# Altium PCB LimePSB-RPCM_1v2.PcbDoc (part 7 of 10) (continued)
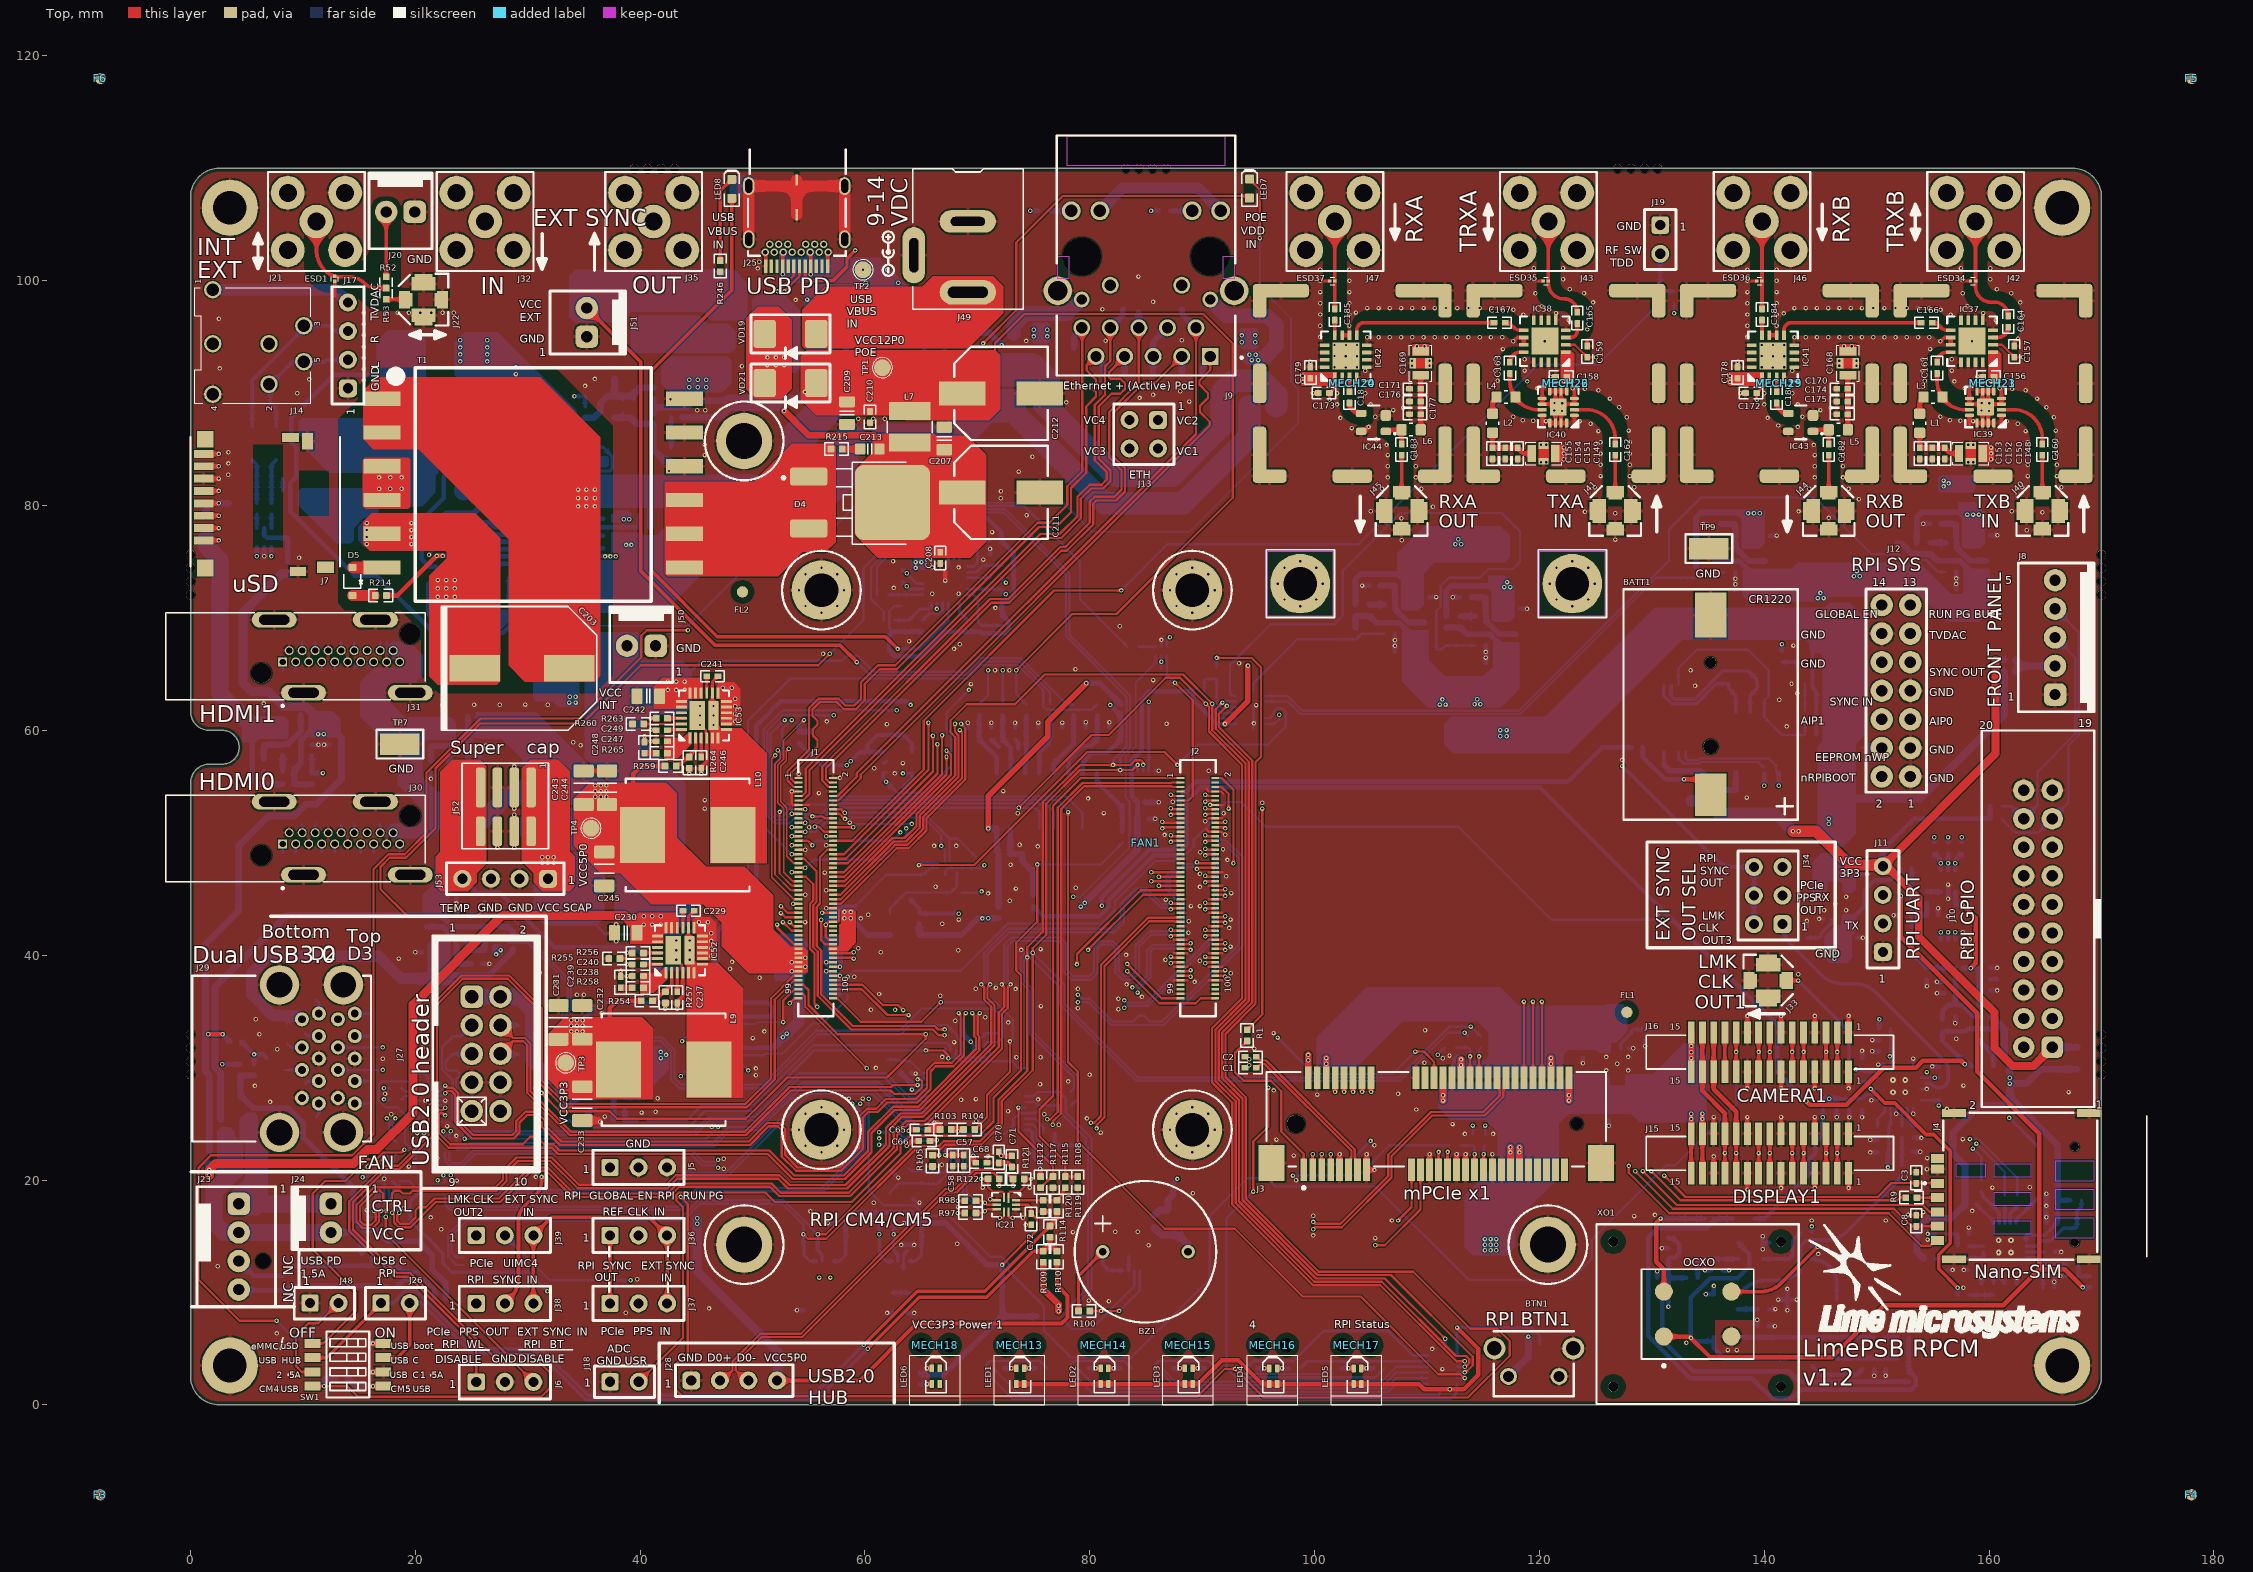
[diagram p0: Top view]
## Nets (pads, with @x,y where several pads share a name; then routed paths per layer and width w, separated by ;. In a path a pad name is that pad's centre, name@x,y a point inside that pad or via, vN(x,y) a via of type N, cw(c..) or ccw(c..) an arc to the next point about the centre after c; other vN are vias at no path point) (continued)
  L3 w0.1: v1(59.575,26.8) 59.325,27.05 59.325,32.55 62.5,35.725 65.492,35.725 67.842,33.375 82.725,33.375 83.9,34.55 83.9,35.483 83.633,35.75 83.296,35.75 v1(83.071,35.975)
  Bottom w0.2: IC26.7@22.625,18.5 22.625,18.1 22.675,18.05 22.675,17.725 23.075,17.325 43.524,17.325 45.199,19 56.299,19 60,22.701 60,25.699 59.375,26.324 59.375,26.583 59.575,26.783 v1(59.575,26.8) ; v1(83.071,35.975) 83.125,35.975 83.3,35.8 85.051,35.8 91.05,41.799 91.05,48.775 90.8,49.025 90.484,49.025 90.334,48.875 v1(90.28,48.875)
RPI_USB3_D0_P: IC26.6 J2.34 | length 99.2
  Top w0.2: v1(90.28,49.475) 90.38,49.375 J2.34@91.165,49.375
  L3 w0.1: v1(58.875,26.8) 59.125,27.05 59.125,32.633 62.417,35.925 65.575,35.925 67.925,33.575 82.642,33.575 83.7,34.633 83.7,35.4 83.55,35.55 83.296,35.55 v1(83.071,35.325)
  Bottom w0.2: IC26.6@23.025,18.5 23.025,18.1 22.975,18.05 22.975,17.849 23.199,17.625 43.4,17.625 45.075,19.3 45.324,19.3 56.175,19.3 59.7,22.825 59.7,25.575 59.075,26.2 59.075,26.583 58.875,26.783 v1(58.875,26.8) ; v1(83.071,35.325) 83.125,35.325 83.3,35.5 85.175,35.5 91.35,41.675 91.35,48.899 90.924,49.325 90.484,49.325 90.334,49.475 v1(90.28,49.475)
RPI_USB3_D1_N: IC27.7 J2.65 | length 88.3
  Top w0.2: v1(80.6,24.592) 80.6,24.875 81.3,25.575 81.3,39.026 85.299,43.025 87.561,43.025 87.611,42.975 J2.65@88.085,42.975
  L3 w0.1: v1(46.925,21.1) 47.175,21.35 50.067,21.35 50.417,21 57.883,21 59.825,22.942 59.825,24.292 61.858,26.325 66.325,26.325 67.575,27.575 76.167,27.575 79.44,24.302 79.956,24.302 80.246,24.592 v1(80.6,24.592)
  Bottom w0.2: IC27.7@22.625,22.425 22.625,22.025 22.675,21.975 22.675,21.65 23.125,21.2 24.175,21.2 25.3,22.325 44.5,22.325 45.525,21.3 46.725,21.3 v1(46.925,21.1)
RPI_USB3_D1_P: IC27.6 J2.63 | length 87.9
  Top w0.2: v1(80.105,25.087) 80.388,25.087 81,25.699 81,39.15 85.175,43.325 87.561,43.325 87.611,43.375 J2.63@88.085,43.375
  L3 w0.1: v1(46.925,21.8) 47.175,21.55 50.15,21.55 50.5,21.2 57.8,21.2 59.625,23.025 59.625,24.375 61.775,26.525 66.242,26.525 67.492,27.775 76.25,27.775 79.523,24.502 79.873,24.502 80.105,24.734 v1(80.105,25.087)
  Bottom w0.2: IC27.6@23.025,22.425 23.025,22.025 22.975,21.975 22.975,21.774 23.249,21.5 24.051,21.5 25.176,22.625 44.624,22.625 45.649,21.6 46.725,21.6 v1(46.925,21.8)
RPI_USB3_RX0_N: IC29.4 J2.28 | length 103.5
  Top w0.2: v1(22.65,26.425) 22.618,26.425 22.43,26.238 22.088,26.238 21.775,25.924 21.775,24.075 22.975,22.875 32.149,22.875 32.699,22.325 51.35,22.325 53.575,20.1 58.225,20.1 60.575,22.45 60.575,24.176 62.628,26.228 64.878,26.228 70.175,31.526 70.175,32.775 70.025,32.925 70.025,34.675 v1(70.2,34.85) ; v1(90.28,50.675) 90.38,50.575 J2.28@91.165,50.575
  L3 w0.1: v1(70.2,34.85) 70.875,35.525 75.108,35.525 75.408,35.825 v1(78.95,35.825)
  Bottom w0.2: IC29.4@21.877,26.675 22.4,26.675 v1(22.65,26.425) ; v1(78.95,35.825) 79.876,35.825 81.901,33.8 86.575,33.8 93.575,40.8 93.575,48.75 92.075,50.25 91.642,50.25 91.367,50.525 90.484,50.525 90.334,50.675 v1(90.28,50.675)
RPI_USB3_RX0_P: IC29.5 J2.30 | length 103.5
  Top w0.2: v1(22.65,25.75) 22.618,25.75 22.43,25.938 22.213,25.938 22.075,25.8 22.075,24.199 23.099,23.175 29.55,23.175 30.225,23.85 30.8,23.85 31.475,23.175 32.274,23.175 32.824,22.625 51.226,22.625 51.474,22.625 53.699,20.4 58.101,20.4 60.275,22.574 60.275,24.3 62.503,26.528 64.753,26.528 69.875,31.65 69.875,32.651 69.725,32.801 69.725,34.675 v1(69.55,34.85) ; v1(90.28,50.075) 90.38,50.175 J2.30@91.165,50.175
  L3 w0.1: v1(69.55,34.85) 69.775,35.075 69.775,35.483 70.017,35.725 75.025,35.725 75.325,36.025 78.5,36.025 v1(78.95,36.475)
  Bottom w0.2: IC29.5@21.877,26.275 22.125,26.275 v1(22.65,25.75) ; v1(78.95,36.475) 79.004,36.475 79.354,36.125 80,36.125 82.025,34.1 83.85,34.1 84.375,34.625 84.819,34.625 85.344,34.1 86.451,34.1 93.275,40.924 93.275,48.626 91.951,49.95 91.518,49.95 91.243,50.225 90.484,50.225 90.334,50.075 v1(90.28,50.075)
RPI_USB3_RX1_N: IC30.4 J2.57 | length 103.5
  Top w0.2: v1(16.95,17.275) 16.95,17.221 16.775,17.046 16.775,16.3 16.2,15.725 15.301,15.725 14.775,16.251 14.775,17.799 16.326,19.35 27.125,19.35 27.8,20.025 27.8,20.8 29,22 32.137,22 34.562,19.575 42.325,19.575 43.175,20.425 52.4,20.425 53.275,19.55 58.275,19.55 61.875,23.15 61.875,24.624 63.176,25.925 65.045,25.925 71.225,32.105 71.225,35.425 70.6,36.05 70.6,37.15 v1(70.35,37.4) ; v1(87.2,44.675) 87.3,44.575 J2.57@88.085,44.575
  Bottom w0.2: IC30.4@16.823,19.148 16.823,18.768 16.773,18.718 16.773,17.452 v1(16.95,17.275) ; v1(70.35,37.4) 70.6,37.65 70.6,40.224 72.726,42.35 82.05,42.35 82.725,43.025 82.725,44.55 84.1,45.925 85.049,45.925 86.449,44.525 86.996,44.525 87.146,44.675 v1(87.2,44.675)
RPI_USB3_RX1_P: IC30.5 J2.59 | length 103.5
  Top w0.2: v1(16.3,17.275) 16.3,17.221 16.475,17.046 16.475,16.424 16.076,16.025 15.425,16.025 15.075,16.375 15.075,17.675 16.45,19.05 16.875,19.05 17.15,18.775 17.15,18.325 17.35,18.125 17.685,18.125 17.925,18.365 17.925,18.8 18.175,19.05 18.625,19.05 18.875,18.8 19.525,18.8 19.775,19.05 27.249,19.05 28.1,19.901 28.1,20.676 29.124,21.7 32.012,21.7 34.437,19.275 42.449,19.275 43.299,20.125 52.276,20.125 53.151,19.25 53.399,19.25 58.399,19.25 62.175,23.026 62.175,24.5 63.3,25.625 65.17,25.625 71.525,31.98 71.525,35.549 70.9,36.174 70.9,37.15 v1(71.15,37.4) ; v1(87.2,44.075) 87.3,44.175 J2.59@88.085,44.175
  Bottom w0.2: v1(16.3,17.275) 16.473,17.448 16.473,18.718 16.423,18.768 IC30.5@16.423,19.148 ; v1(71.15,37.4) 70.9,37.65 70.9,40.1 72.85,42.05 82.174,42.05 83.025,42.901 83.025,44.426 84.224,45.625 84.925,45.625 86.325,44.225 86.996,44.225 87.146,44.075 v1(87.2,44.075)
RPI_USB3_TX0_N: IC29.1 J2.40 | length 103.5
  Top w0.2: v1(22.65,28.4) 22.682,28.4 22.87,28.212 23.349,28.212 23.825,27.737 23.825,25.324 25.149,24 28.626,24 28.975,24.349 28.975,25.001 28.975,25.249 29.801,26.075 30.749,26.075 31.55,25.274 31.55,25.026 31.55,24.874 32.999,23.425 49.651,23.425 51.301,25.075 52.374,25.075 52.9,24.549 52.9,22.224 53.999,21.125 57.751,21.125 59.5,22.874 59.5,25.674 60.176,26.35 61,26.35 61.85,27.2 64.526,27.2 65.525,28.199 65.525,29.774 66.176,30.425 67.726,30.425 68.5,31.199 68.5,34.675 v1(68.325,34.85) ; v1(89.53,48.275) 89.63,48.175 J2.40@91.165,48.175
  L3 w0.1: v1(68.325,34.85) 68.55,35.075 68.55,36.133 68.892,36.475 75.025,36.475 76.2,37.65 82.058,37.65 83.058,36.65 83.624,36.65 83.79,36.816 v1(83.79,37.135)
  Bottom w0.2: IC29.1@21.877,27.875 22.125,27.875 v1(22.65,28.4) ; v1(83.79,37.135) 83.829,37.173 84.076,37.173 85.1,38.197 85.1,40.449 85.551,40.9 87.675,40.9 88.05,41.275 88.05,44.6 86.8,45.85 86.8,47.05 87.225,47.475 87.825,47.475 88.475,48.125 89.326,48.125 89.476,48.275 v1(89.53,48.275)
RPI_USB3_TX0_P: IC29.2 J2.42 | length 103.5
  Top w0.2: v1(22.65,27.725) 22.682,27.725 22.87,27.912 23.225,27.912 23.525,27.613 23.525,25.2 25.025,23.7 28.75,23.7 29.275,24.225 29.275,25.125 29.925,25.775 30.625,25.775 31.25,25.15 31.25,24.75 32.875,23.125 49.775,23.125 51.425,24.775 52.25,24.775 52.6,24.425 52.6,22.1 53.875,20.825 57.875,20.825 59.8,22.75 59.8,25.55 60.3,26.05 61.124,26.05 61.974,26.9 64.65,26.9 65.825,28.075 65.825,29.65 66.3,30.125 67.85,30.125 68.8,31.075 68.8,34.675 v1(68.975,34.85) ; v1(89.53,47.675) 89.63,47.775 J2.42@91.165,47.775
  L3 w0.1: v1(68.975,34.85) 68.75,35.075 68.75,36.05 68.975,36.275 75.108,36.275 76.283,37.45 81.975,37.45 82.975,36.45 83.707,36.45 83.932,36.675 v1(84.25,36.675)
  Bottom w0.2: IC29.2@21.877,27.475 22.4,27.475 v1(22.65,27.725) ; v1(84.25,36.675) 84.288,36.713 84.288,36.961 85.4,38.072 85.4,40.325 85.675,40.6 87.799,40.6 88.35,41.151 88.35,44.724 87.1,45.974 87.1,46.926 87.349,47.175 87.949,47.175 88.599,47.825 89.326,47.825 89.476,47.675 v1(89.53,47.675)
RPI_USB3_TX1_N: IC30.1 J2.69 | length 103.4
  Top w0.2: v1(18.575,17.1) 18.575,17.046 18.4,16.871 18.4,16.35 18.65,16.1 19.451,16.1 20.013,16.663 20.013,17.313 20.275,17.575 20.926,17.575 21.701,18.35 27.425,18.35 30.2,21.125 31.774,21.125 34.099,18.8 42.45,18.8 43.35,19.7 51.675,19.7 52.5,18.875 58.555,18.875 62.55,22.87 62.55,24.124 63.676,25.25 65.325,25.25 71.9,31.825 71.9,34.912 72.252,35.264 72.4,35.412 72.4,37.15 v1(72.15,37.4) ; v1(87.2,42.275) 87.3,42.175 J2.69@88.085,42.175
  Bottom w0.2: IC30.1@18.023,19.148 18.023,18.768 17.968,18.713 17.968,18.232 18.4,17.8 18.4,17.275 v1(18.575,17.1) ; v1(72.15,37.4) 72.4,37.65 72.4,40.924 73.051,41.575 77.374,41.575 77.875,41.074 77.875,38.774 78.524,38.125 79.975,38.125 80.375,38.525 80.375,40.724 80.901,41.25 82.024,41.25 82.575,40.699 82.575,38.6 83.025,38.15 83.676,38.15 84.075,38.549 84.075,40.875 85.325,42.125 86.996,42.125 87.146,42.275 v1(87.2,42.275)
RPI_USB3_TX1_P: IC30.2 J2.71 | length 103.6
  Top w0.2: v1(17.925,17.1) 17.925,17.046 18.1,16.871 18.1,16.226 18.526,15.8 19.575,15.8 21.825,18.05 27.549,18.05 30.324,20.825 31.65,20.825 33.975,18.5 42.574,18.5 43.474,19.4 51.551,19.4 52.376,18.575 58.679,18.575 62.85,22.746 62.85,24 63.8,24.95 65.449,24.95 72.2,31.701 72.2,34.788 72.376,34.964 72.7,35.288 72.7,37.15 v1(72.95,37.4) ; v1(87.2,41.675) 87.3,41.775 J2.71@88.085,41.775
  Bottom w0.2: IC30.2@17.623,19.148 17.623,18.753 17.668,18.708 17.668,18.108 18.1,17.676 18.1,17.275 v1(17.925,17.1) ; v1(72.95,37.4) 72.7,37.65 72.7,40.8 73.175,41.275 77.25,41.275 77.575,40.95 77.575,38.65 78.4,37.825 80.099,37.825 80.675,38.401 80.675,40.6 81.025,40.95 81.9,40.95 82.275,40.575 82.275,38.476 82.901,37.85 83.8,37.85 84.375,38.425 84.375,40.751 85.449,41.825 86.996,41.825 87.146,41.675 v1(87.2,41.675)
RPI_USB_D_N: IC21.2 J2.3 R122.2 | length 52.2
  Top w0.2: v1(70.325,20.106) R122.2@70.95,20.106 70.95,19.375 71.375,18.95 72.2,18.95 72.375,18.775 IC21.2@72.375,18.45 ; v1(76.205,25.412) 76.488,25.412 77.15,26.074 77.15,53.124 79.351,55.325 87.25,55.325 87.3,55.375 J2.3@88.085,55.375
  L3 w0.1: v1(70.325,20.106) 72.056,20.106 72.575,20.625 72.575,21.429 76.205,25.059 v1(76.205,25.412)
RPI_USB_D_P: IC21.1 J2.5 R121.2 | length 51.7
  Top w0.2: IC21.1@72.775,18.4 72.775,18.825 72.9,18.95 73.75,18.95 74.175,19.375 R121.2@74.175,20.1 v1(74.8,20.1) ; v1(76.7,24.917) 76.7,25.2 77.45,25.95 77.45,53 79.475,55.025 87.25,55.025 87.3,54.975 J2.5@88.085,54.975
  L3 w0.1: v1(74.8,20.1) 73.3,20.1 72.775,20.625 72.775,21.346 76.346,24.917 v1(76.7,24.917)
RPI_USB_OTG_ID: J2.1 R108.1 R115.2 | length 47.9
  Top w0.2: R108.1@78.925,20.306 R115.2@77.825,20.306 77.825,21.6 75.525,23.9 75.525,26.275 76.725,27.475 76.725,53.3 79.2,55.775 J2.1@88.085,55.775
RPI_VBAT: J1.76 R78.1 | length 85.2
  Top w0.2: v1(56.1,43.15) 56.1,41.325 56.45,40.975 J1.76@57.165,40.975
  L3 w0.3: v1(56.1,43.15) 56.2,43.25 56.975,43.25 57.575,42.65 60.35,42.65 60.95,43.25 67.639,43.25 68.164,42.725 79.4,42.725 v1(81.075,44.4)
  Bottom w0.4: v1(81.075,44.4) 81.075,45.15 85.325,49.4 87.4,49.4 87.95,49.95 87.95,53.975 89.4,55.425 122.55,55.425 125.625,58.5 R78.1@128.2,58.5
RPI_VBUS_EN: IC1.1 R137.2 | length 1.5
  Bottom w0.2: R137.2@84.35,67.45 84.363,67.437 IC1.1@85.875,67.437
RPI_WL_nDISABLE: J1.89 J6.1 | length 93.8
  Top w0.2: J6.1@25.419,2.038 25.419,5.406 22.025,8.8 19.425,11.4 18.175,11.4 14.114,15.461 14.114,18.114 17.275,21.275 18.476,21.275 21.175,23.974 21.175,26.599 21.625,27.049 21.625,35.724 24.101,38.2 28.35,38.2 31.25,35.3 31.25,28.849 33.324,26.775 49.376,26.775 51.65,29.049 51.65,36.175 53.65,38.175 J1.89@54.085,38.175
RTC_nINT: C54.1 IC16.3 IC18.3 R90.1 | length 20.7
  Bottom w0.2: IC18.3@132.375,64 132.375,65.525 134.025,67.175 138.55,67.175 140.4,65.325 140.4,63.05 140.01,62.66 IC16.3@140.01,61.612 140.01,61.165 141.575,59.6 R90.1@143.625,59.6 C54.1@143.625,60.7
RTC_OSCI: IC16.1 IC18.1 XT1.1 | length 10.5
  Bottom w0.3: IC18.1@131.075,64 131.075,63.1 131.8,62.375 133.975,62.375 135.734,64.134 XT1.1@136.83,64.134 136.83,63.735 137.47,63.094 IC16.1@137.47,61.612
RTC_OSCO: IC16.2 IC18.2 XT1.2 | length 13.2
  Bottom w0.3: IC18.2@131.725,64 131.725,63.025 131.975,62.775 133.809,62.775 136.319,65.284 138.591,65.284 139.33,64.545 XT1.2@139.33,64.134 ; IC16.2@138.74,61.612 138.74,63.094 139.38,63.735 XT1.2@139.38,64.134
RTC_VDD: C51.1 D1.C IC16.8 IC18.8 | length 10
  Bottom w0.3: 131.075,56.925 IC18.8@131.075,58.1
  Bottom w0.5: 131.075,56.925 131.577,56.423 134.323,56.423 D1.C@136.058,54.688 C51.1@137.47,54.688 IC16.8@137.47,56.188
RXA: C185.1 ESD37.1 J47.1 | length 7.8
  Top w0.325: C185.1@101.8,97.5 ESD37.1@101.8,99.975 J47.1@101.8,105.275
RXA_OUT: C183.2 J45.1 | length 3.2
  Top w0.325: J45.1@107.74,81.225 C183.2@107.74,84.475
RXB: C184.1 ESD36.1 J46.1 | length 7.8
  Top w0.325: C184.1@139.8,97.5 ESD36.1@139.8,99.975 J46.1@139.8,105.275
RXB_OUT: C182.2 J44.1 | length 3.2
  Top w0.325: J44.1@145.74,81.225 C182.2@145.74,84.475
SCAP_TEMP: C36.1 IC8.7 J52.4 J53.4 R46.2 R50.1 | length 89.9
  L3 w0.4: v1(64.057,62.268) v1(81.818,62.268)
  Bottom w0.4: J53.4@24.186,46.8 25.436,45.55 27.525,45.55 32.35,40.725 39.475,40.725 41.425,38.775 46.05,38.775 46.9,39.625 46.9,42.175 50.325,45.6 50.325,60.425 52.475,62.575 63.75,62.575 v1(64.057,62.268) ; IC8.7@79.333,56.177 79.352,56.196 79.352,57.169 80.183,58 81.566,58 82.651,59.085 82.651,59.135 82.701,59.185 C36.1@82.751,59.185 R50.1@82.751,60.235 R46.2@82.751,61.335 v1(81.818,62.268)
  Bottom w0.6: J53.4@24.186,46.8 J53.4@24.225,46.839
SIM_VPP: J4.C6 R9.2 | length 1.8
  Top w0.2: R9.2@153.59,18.435 J4.C6@155.405,18.435
SR0_DOUT: IC15.9 IC17.14 | length 73.3
  Top w0.2: v1(91.8,62.475) 91.2,61.875 91.2,60.15 94.15,57.2 94.15,35.924 91.475,33.249 91.475,28.924 93.275,27.124 93.275,18.099 100.124,11.25 106.25,11.25 v1(111.625,5.875)
  Bottom w0.2: v1(91.8,62.475) 91.92,62.595 92.989,62.595 IC17.14@93.014,62.57 ; IC15.9@111.625,4.984 v1(111.625,5.875)
SR_OE: IC15.13 IC17.13 R92.2 R94.1 R96.1 | length 82.4
  Top w0.2: v1(92.2,62.175) 91.5,61.475 91.5,60.274 94.45,57.324 94.45,35.8 91.775,33.125 91.775,29.048 93.575,27.248 93.575,18.223 100.248,11.55 106.8,11.55 114.075,4.275 114.075,3.527 113.532,2.984 113.52,2.984 113.42,2.884 v1(113.366,2.884)
  Bottom w0.2: R92.2@90.175,63.475 R96.1@90.175,64.575 R94.1@91.275,64.575 91.3,64.55 91.3,62.399 91.699,62 92.025,62 v1(92.2,62.175) ; v1@92.18,62.195 v1(92.2,62.175) ; IC17.13@93.014,62.07 92.58,62.07 92.475,62.175 v1(92.2,62.175) ; IC15.13@112.675,2.884 v1(113.366,2.884)
TCXO_DAC_VREF: C139.2 C140.1 IC33.2 R165.1 R166.1 R172.1 | length 8
  Bottom w0.4: R165.1@155.849,34.239 155.849,35.015 156.423,35.589 R172.1@156.998,35.589 ; IC33.2@156.999,38.884 C140.1@156.999,37.63 R172.1@156.999,35.575 157.548,35.575 158.549,34.574 R166.1@159.099,34.574
TRXA: C165.1 ESD35.1 J43.1 | length 9.6
  Top w0.325: J43.1@120.8,105.275 ESD35.1@120.8,99.975 120.8,99.75 ccw(c122.15,99.75) 122.15,98.4 122.175,98.4 cw(c122.175,97.2) C165.1@123.375,97.2
TRXB: C164.1 ESD34.1 J42.1 | length 10.2
  Top w0.325: J42.1@158.8,105.275 ESD34.1@158.8,99.975 158.8,99.475 ccw(c160.175,99.475) 160.175,98.1 160.475,98.1 cw(c160.475,96.875) C164.1@161.7,96.875
TXA_IN: C162.2 J41.1 | length 3.2
  Top w0.325: J41.1@126.74,81.225 C162.2@126.74,84.475
TXB_IN: C160.2 J40.1 | length 3.2
  Top w0.325: J40.1@164.74,81.225 C160.2@164.74,84.475
UFL_INT_TO_EXT: J22.1 R53.2 | length 1.7
  Top w0.325: R53.2@17.4,98.35 J22.1@19.015,98.35 ; J22.1@18.815,98.35 cw(c18.815,98.265) J22.1@18.875,98.325
UIM_CLK: J3.12 J4.C3 | length 60.4
  Top w0.2: v1(127.95,21.25) 127.95,20.65 131.55,17.05 151.075,17.05 153.975,14.15 154.725,14.15 155.195,14.62 J4.C3@155.405,14.62 J4.C3@155.705,14.62
  Top w0.4: v1(103.425,27.85) J3.12@103.425,29.1
  L3 w0.1: v1(103.425,27.85) 103.425,26.816 108.991,21.25 v1(127.95,21.25)
UIM_DATA: C8.2 J3.10 J4.C7 | length 59.3
  Top w0.2: v1(128.525,20.775) 131.85,17.45 151.55,17.45 153.11,15.89 153.525,15.89 J4.C7@155.405,15.89
  Top w0.4: v1(102.625,27.85) J3.10@102.625,29.1
  L3 w0.1: v1(102.625,27.85) 102.625,27.333 108.908,21.05 127.55,21.05 127.825,20.775 v1(128.525,20.775)
UIM_PWR: C3.2 J3.8 J4.C1 | length 59.2
  Top w0.2: v1(131.1,20.4) 133,18.5 150.1,18.5 151.331,19.731 153.525,19.731 J4.C1@155.405,19.731
  Top w0.4: v1(101.825,27.85) J3.8@101.825,29.1
  L3 w0.1: v1(101.825,27.85) 108.85,20.825 127.45,20.825 127.875,20.4 v1(131.1,20.4)
UIM_RESET: J3.14 J4.C2 | length 58.1
  Top w0.2: v1(129.2,20.8) 132.225,17.775 154.1,17.775 154.715,17.16 J4.C2@155.405,17.16 J4.C2@155.705,17.16
  Top w0.4: v1(104.225,27.85) J3.14@104.225,29.1
  L3 w0.1: v1(104.225,27.85) 104.225,26.299 109.024,21.5 127.705,21.5 127.805,21.6 128.4,21.6 v1(129.2,20.8)
UIM_VPP: J3.16 R9.1 | length 54
  Top w0.2: v1(129.95,20.8) 132.55,18.2 151.85,18.2 152.1,18.45 R9.1@152.375,18.45
  Top w0.4: v1(105.025,27.85) J3.16@105.025,29.1
  L3 w0.1: v1(105.025,27.85) 105.025,25.781 109.106,21.7 127.622,21.7 127.722,21.8 128.95,21.8 v1(129.95,20.8)
USB3S_B_D_N: IC26.1 J29.11 VD14.A | length 24.8
  L3 w0.1: v1(17.1,31.8) 18,30.9 21.258,30.9 23.625,28.533 23.625,25.308 25.1,23.833 25.1,20.55 23.95,19.4 23.192,19.4 22.725,19.867 22.725,20.2 v1(22.5,20.425)
  Bottom w0.2: J29.11@13.11,31.8 VD14.A@15.875,31.8 v1(17.1,31.8) ; v1(22.5,20.425) 22.625,20.3 IC26.1@22.625,19.8
USB3S_B_D_P: IC26.2 J29.12 VD15.A | length 24.8
  L3 w0.1: v1(17.1,29.8) 17.1,30.3 17.5,30.7 19.15,30.7 19.55,30.3 19.887,30.3 20.287,30.7 21.175,30.7 23.425,28.45 23.425,25.225 24.9,23.75 24.9,22.349 24.55,21.999 24.55,21.762 24.9,21.412 24.9,20.633 23.867,19.6 23.275,19.6 22.925,19.95 22.925,20.2 v1(23.15,20.425)
  Bottom w0.2: J29.12@13.11,29.8 VD15.A@15.875,29.8 v1(17.1,29.8) ; IC26.2@23.025,19.8 23.025,20.3 v1(23.15,20.425)
USB3S_B_RX_N: ESD26.1 IC29.9 J29.14 | length 25.7
  L4 w0.1: J29.14@14.61,26.8 14.61,27.535 14.775,27.7 15.9,27.7 16.075,27.525 16.075,26.475 16.275,26.275 18.483,26.275 18.825,26.617 18.825,28.35 18.5,28.675 18,28.675 17.825,28.85 17.825,29.15 18,29.325 18,29.575 17.825,29.75 17.825,30.05 18.025,30.25 18.575,30.25 19.275,29.55 19.875,29.55 20.575,30.25 21.075,30.25 21.784,29.541 21.784,28.016 21.467,27.7 20.242,27.7 19.6,27.058 19.6,26.442 20.525,25.517 20.525,25.079 20.021,24.574 19.774,24.574 v1(19.75,24.55)
  Bottom w0.2: J29.14@14.61,26.8 ESD26.1@15.875,26.8 ; v1(19.75,24.55) 20.3,25.1 IC29.9@20.3,25.698
USB3S_B_RX_P: ESD27.1 IC29.8 J29.15 | length 25.7
  L4 w0.1: J29.15@14.61,28.8 14.61,28.765 15.475,27.9 15.983,27.9 16.275,27.608 16.275,26.967 16.767,26.475 18.4,26.475 18.625,26.7 18.625,28.267 18.417,28.475 17.917,28.475 17.625,28.767 17.625,30.133 17.884,30.391 17.942,30.45 18.658,30.45 19.358,29.75 19.792,29.75 20.492,30.45 21.158,30.45 21.984,29.624 21.984,27.934 21.55,27.5 20.325,27.5 19.8,26.975 19.8,26.525 19.809,26.516 20.35,25.975 20.725,25.6 20.725,24.996 20.174,24.446 20.174,24.199 v1(20.15,24.175)
  Bottom w0.2: J29.15@14.61,28.8 ESD27.1@15.875,28.8 ; v1(20.15,24.175) 20.7,24.725 IC29.8@20.7,25.698
USB3S_B_TX_N: C91.2 ESD28.1 J29.17 | length 25.4
  L3 w0.1: J29.17@14.61,32.8 14.61,33.535 14.775,33.7 16.083,33.7 17.483,35.1 17.981,35.1 18.231,34.85 18.727,34.85 18.977,35.1 19.475,35.1 19.975,34.6 19.975,33.375 19.75,33.15 17,33.15 16.617,33.15 16.075,32.608 16.075,32.225 16.075,29.492 16.567,29 19.7,29 19.95,28.75 19.95,28.05 19.675,27.775 17.9,27.775 17.5,28.175 v1(17.2,28.175)
  Bottom w0.2: J29.17@14.61,32.8 ESD28.1@15.875,32.8 ; v1(17.2,28.175) C91.2@17.75,28.175
USB3S_B_TX_P: C93.2 ESD29.1 J29.18 | length 25.5
  L3 w0.1: J29.18@14.61,34.8 14.61,34.79 15.5,33.9 16,33.9 17.4,35.3 19.558,35.3 20.175,34.683 20.175,33.292 19.833,32.95 16.7,32.95 16.275,32.525 16.275,29.575 16.65,29.2 19.783,29.2 20.15,28.833 20.15,27.967 19.758,27.575 17.9,27.575 17.5,27.175 v1(17.2,27.175)
  Bottom w0.2: J29.18@14.61,34.8 ESD29.1@15.875,34.8 ; v1(17.2,27.175) C93.2@17.75,27.175
USB3S_T_D_N: IC27.1 J29.2 VD16.A | length 20.5
  L3 w0.1: J29.2@9.91,31.8 10.55,31.16 10.55,30.525 11.15,29.925 11.775,29.925 12.925,28.775 13.225,28.775 14.1,27.9 15.025,27.9 15.8,27.125 15.8,25.2 17.175,23.825 20.65,23.825 20.8,23.675 22.55,23.675 22.725,23.85 22.725,24.125 v1(22.5,24.35)
  Bottom w0.2: VD16.A@8.625,32.175 8.625,32.125 8.825,31.925 8.875,31.925 9,31.8 J29.2@9.91,31.8 ; v1(22.5,24.35) 22.625,24.225 IC27.1@22.625,23.725
USB3S_T_D_P: IC27.2 J29.3 VD17.A | length 20.4
  L3 w0.1: J29.3@9.91,29.725 11.692,29.725 12.842,28.575 13.142,28.575 14.017,27.7 14.942,27.7 15.6,27.042 15.6,25.35 15.6,25.117 17.092,23.625 17.325,23.625 20.567,23.625 20.717,23.475 21.675,23.475 22.15,23 22.525,23 22.925,23.4 22.925,24.125 v1(23.15,24.35)
  Bottom w0.2: VD17.A@8.3,29.8 J29.3@9.91,29.8 ; IC27.2@23.025,23.725 23.025,24.225 v1(23.15,24.35)
USB3S_T_RX_N: ESD30.1 IC30.9 J29.5 | length 20
  L3 w0.1: J29.5@11.41,26.8 12.35,26.8 12.725,26.425 12.725,26.075 12.375,25.725 10.5,25.725 10.375,25.6 10.375,25.325 10.525,25.175 11.35,25.175 11.525,25 11.525,24.85 10.825,24.15 10.825,22.625 12.2,21.25 12.542,21.25 13.467,22.175 14.183,22.175 14.5,21.858 14.5,21.608 14.5,21.225 14.15,20.875 13.7,20.875 13.425,20.6 13.425,20.308 13.833,19.9 14.142,19.9 14.867,20.625 15.091,20.625 15.266,20.8 v1(15.3,20.8)
  Bottom w0.2: ESD30.1@11.16,25.565 ESD30.1@11.16,25.57 11.21,25.62 11.215,25.62 11.41,25.815 J29.5@11.41,26.8 ; v1(15.3,20.8) v1@15.375,20.725 ; v1@15.325,20.725 v1@15.375,20.725 ; IC30.9@15.846,20.725 v1@15.375,20.725
USB3S_T_RX_P: ESD31.1 IC30.8 J29.6 | length 20.1
  L3 w0.1: J29.6@11.41,28.8 10.314,28.8 9.135,27.621 9.135,26.265 10.625,24.775 10.625,22.542 12.117,21.05 12.625,21.05 13.55,21.975 14.1,21.975 14.3,21.775 14.3,21.308 14.067,21.075 13.617,21.075 13.225,20.683 13.225,20.225 13.75,19.7 14.225,19.7 14.95,20.425 15.091,20.425 15.266,20.25 v1(15.3,20.25)
  Bottom w0.2: ESD31.1@10.175,28.55 10.18,28.55 10.23,28.6 10.23,28.605 10.425,28.8 J29.6@11.41,28.8 ; v1(15.3,20.25) v1@15.375,20.325 ; v1@15.325,20.325 v1@15.375,20.325 ; IC30.8@15.846,20.325 v1@15.375,20.325
USB3S_T_TX_N: C92.2 ESD32.1 J29.8 | length 20.3
  L3 w0.1: J29.8@11.41,32.8 11.41,33.46 11.625,33.675 12.25,33.675 12.4,33.525 12.4,33.025 12.675,32.75 13.275,32.75 14.275,31.75 15.375,31.75 15.575,31.55 15.575,30.45 15.125,30 15.125,29.5 16.2,28.425 16.2,27.042 16.725,26.517 16.725,26.3 16.2,25.775 16.2,25.317 17.142,24.375 17.67,24.375 17.938,24.642 17.938,25.188 v1(18.225,25.475)
  Bottom w0.2: ESD32.1@10.175,33.05 ESD32.1@10.18,33.05 10.23,33 10.23,32.995 10.425,32.8 J29.8@11.41,32.8 ; v1(18.225,25.475) 17.974,25.224 17.974,23.944 17.974,23.667 18.091,23.55 18.175,23.55 18.325,23.4 C92.2@18.325,23.35
USB3S_T_TX_P: C94.2 ESD33.1 J29.9 | length 20
  L3 w0.1: J29.9@11.41,34.8 11.41,34.09 11.625,33.875 12.333,33.875 12.6,33.608 12.6,33.108 12.758,32.95 13.358,32.95 14.358,31.95 15.458,31.95 15.775,31.633 15.775,30.367 15.675,30.267 15.325,29.917 15.325,29.583 16.341,28.566 16.4,28.508 16.4,27.125 16.925,26.6 16.925,26.217 16.4,25.692 16.4,25.4 17.225,24.575 17.588,24.575 17.738,24.725 17.738,25.188 v1(17.45,25.475)
  Bottom w0.2: ESD33.1@11.16,36.035 11.16,36.03 11.21,35.98 11.215,35.98 11.41,35.785 J29.9@11.41,34.8 ; C94.2@17.323,23.35 17.323,23.4 17.473,23.55 17.557,23.55 17.674,23.667 17.674,24.068 17.674,25.251 v1(17.45,25.475)
USB_C_RPI1: J26.1 R114.1 R119.1 SW1.2 | length 79.6
  Top w0.3: SW1.2@10.85,4.2 12.105,4.2 J26.1@16.955,9.05 ; v1(59.896,5.354) 64.643,10.1 70.65,10.1 R114.1@76.45,15.9
  Top w0.4: R114.1@76.45,15.9 77.068,16.518 ; 77.068,16.593 77.068,17.193 R119.1@77.075,17.2
  Bottom w0.3: J26.1@16.955,9.05 18.01,9.05 19.06,10.1 20.125,10.1 25.225,5 31.175,5 35.337,0.838 55.381,0.838 v1(59.896,5.354)
USB_C_RPI2: J26.2 R109.1 R110.1 R114.2 SW1.7 | length 74.3
  Top w0.3: SW1.7@17.15,4.2 18.375,4.2 19.495,5.32 J26.2@19.495,9.05 ; v1(60.25,5) 64.825,9.575 70.85,9.575 74.95,13.675 R109.1@75.85,13.675
  Top w0.4: R109.1@75.85,13.675 76.45,14.275 ; R114.2@76.45,14.9 76.45,14.275 ; R110.1@77.075,13.675 76.475,14.275 76.45,14.275
  Bottom w0.3: J26.2@19.495,9.05 20.55,9.05 25,4.6 31.009,4.6 35.159,0.45 ; 35.159,0.438 55.688,0.438 v1(60.25,5)
USB_CC1: C228.1 IC51.15 J25.A5 | length 55.4
  Top w0.3: J25.A5@54.675,101.295 54.675,100.25 54.9,100.025 57.175,100.025 58.4,101.25 58.4,101.975 v1(59.125,102.7)
  L3 w0.1: v1(59.125,102.7) 61.55,105.125 65.325,105.125 68.2,102.25 70.05,102.25 72.225,100.075 72.225,97.008 71,95.783 71,89.5 63.716,82.216 v1(63.716,73.97)
  Bottom w0.25: C228.1@63.291,74.37 63.341,74.37 63.466,74.245 63.466,74.195 64.586,73.075 IC51.15@65.184,73.075
USB_CC2: C227.1 IC51.14 J25.B5 | length 55.4
  L3 w0.1: J25.B5@53.125,103.245 55.205,105.325 65.408,105.325 68.283,102.45 70.133,102.45 72.425,100.158 72.425,96.925 71.2,95.7 71.2,89.417 64.066,82.283 64.066,73.175 v1(63.714,72.823)
  Bottom w0.25: C227.1@63.291,73.245 63.341,73.245 63.466,73.12 63.466,73.07 v1(63.714,72.823) 63.961,72.575 IC51.14@65.184,72.575
USB_HUB_CFG_SEL0: IC20.41 IC22.6 IC23.6 R113.1 R118.2 R124.1 | length 33.7
  Bottom w0.2: IC20.41@74.25,26.95 75.05,26.95 75.375,26.625 R124.1@77.35,26.625 77.35,26.05 79.65,23.75 R113.1@79.65,23.1 79.85,22.9 79.85,10.425 77.835,8.41 IC22.6@77.835,7.875 77.835,7.34 78.4,6.775 80.15,6.775 83.95,10.575 IC23.6@83.95,11.95
USB_HUB_CFG_SEL1: IC20.42 R112.1 R117.1 | length 9.5
  Top w0.2: v1(73.65,26.45) 73.65,24.325 76.731,21.244 R117.1@76.731,20.35 ; R112.1@75.625,19.306 76.625,20.306 R117.1@76.725,20.306
  Bottom w0.2: v1(73.65,26.45) IC20.42@74.25,26.45
USB_HUB_CFG_SEL2: IC20.13 R111.1 R116.2 | length 4
  Bottom w0.2: R116.2@61.975,30.725 R111.1@62.925,30.725 ; R111.1@63,30.725 63.15,30.575 64.025,30.575 65.1,29.5 65.45,29.5 IC20.13@65.5,29.45
USB_HUB_D0_N: IC20.58 IC21.4 J28.3 R98.1 R122.1 | length 45.2
  Top w0.2: J28.3@49.63,1.938 48.509,3.059 48.509,3.735 50.799,6.025 54.399,6.025 67.274,18.9 68.149,18.9 69.874,20.625 71.481,20.625 71.95,20.156 R122.1@71.95,20.106 v1(71.95,19.475) ; R98.1@69.875,18.15 70.475,18.15 70.65,17.975 v1(70.675,17.975) 70.85,17.8 IC21.4@71.725,17.8
  L3 w0.1: v1(70.675,17.975) 70.7,17.95 71.717,17.95 72.575,18.808 72.575,19.275 72.375,19.475 v1(71.95,19.475)
  Bottom w0.2: IC20.58@69.125,22.825 69.075,22.775 69.075,22.395 69.025,22.345 69.025,18.924 70.199,17.75 70.45,17.75 v1(70.675,17.975)
USB_HUB_D0_P: IC20.59 IC21.5 J28.2 R97.1 R121.1 | length 47.7
  Top w0.2: J28.2@47.088,1.938 48.209,3.059 48.209,3.859 50.675,6.325 54.275,6.325 67.15,19.2 68.025,19.2 69.75,20.925 72.3,20.925 73.175,20.05 v1(73.175,19.475) ; R97.1@69.877,17.063 70.477,17.063 70.64,17.225 v1(70.675,17.225) 70.85,17.4 IC21.5@71.725,17.4
  L3 w0.1: v1(70.675,17.225) 71.275,17.225 73.175,19.125 v1(73.175,19.475)
  Bottom w0.2: IC20.59@68.625,22.825 68.675,22.775 68.675,22.395 68.725,22.345 68.725,18.8 70.075,17.45 70.45,17.45 v1(70.675,17.225)
USB_HUB_D1_N: IC20.1 R102.2 | length 2.7
  Bottom w0.2: R102.2@62.975,23.15 63.375,23.55 65.02,23.55 65.07,23.5 65.45,23.5 IC20.1@65.5,23.45
USB_HUB_D1_P: IC20.2 R99.2 | length 2.7
  Bottom w0.2: R99.2@62.975,24.25 63.375,23.85 65.02,23.85 65.07,23.9 65.45,23.9 IC20.2@65.5,23.95
USB_HUB_D2_N: IC20.3 IC26.5 | length 46.8
  Bottom w0.2: IC26.5@23.675,18.75 24.075,18.75 24.125,18.8 42.349,18.8 43.824,20.275 47.699,20.275 55.074,27.65 60.701,27.65 63.226,25.125 63.925,25.125 64.5,24.55 65.02,24.55 65.07,24.5 65.45,24.5 IC20.3@65.5,24.45
USB_HUB_D2_P: IC20.4 IC26.4 | length 46.8
  Bottom w0.2: IC26.4@23.675,19.15 24.075,19.15 24.125,19.1 42.225,19.1 43.7,20.575 47.575,20.575 54.95,27.95 60.825,27.95 63.35,25.425 64.049,25.425 64.624,24.85 65.02,24.85 65.07,24.9 65.45,24.9 IC20.4@65.5,24.95
USB_HUB_D3_N: IC20.6 IC27.5 | length 45.2
  Bottom w0.2: IC27.5@23.675,22.675 24.075,22.675 24.125,22.725 24.7,22.725 24.975,23 46.6,23 48.025,24.425 50.55,24.425 54.525,28.4 61.126,28.4 63.476,26.05 65.02,26.05 65.07,26 65.45,26 IC20.6@65.5,25.95